# Altium PCB MU_MP_39_V1.PcbDoc (part 3 of 15)
Units mm, origin at the board's own origin, x right, y up, seen from the top; angles counter-clockwise.
Board outline 133 x 94 mm, 8 copper layers (Top Layer, GND_1, POWER_1, POWER_2, GND_2, Inner_Layer, GND_3, Bottom Layer), stack 1.468 mm thick; 934 components, 729 nets, 4006 pads, 2645 vias.
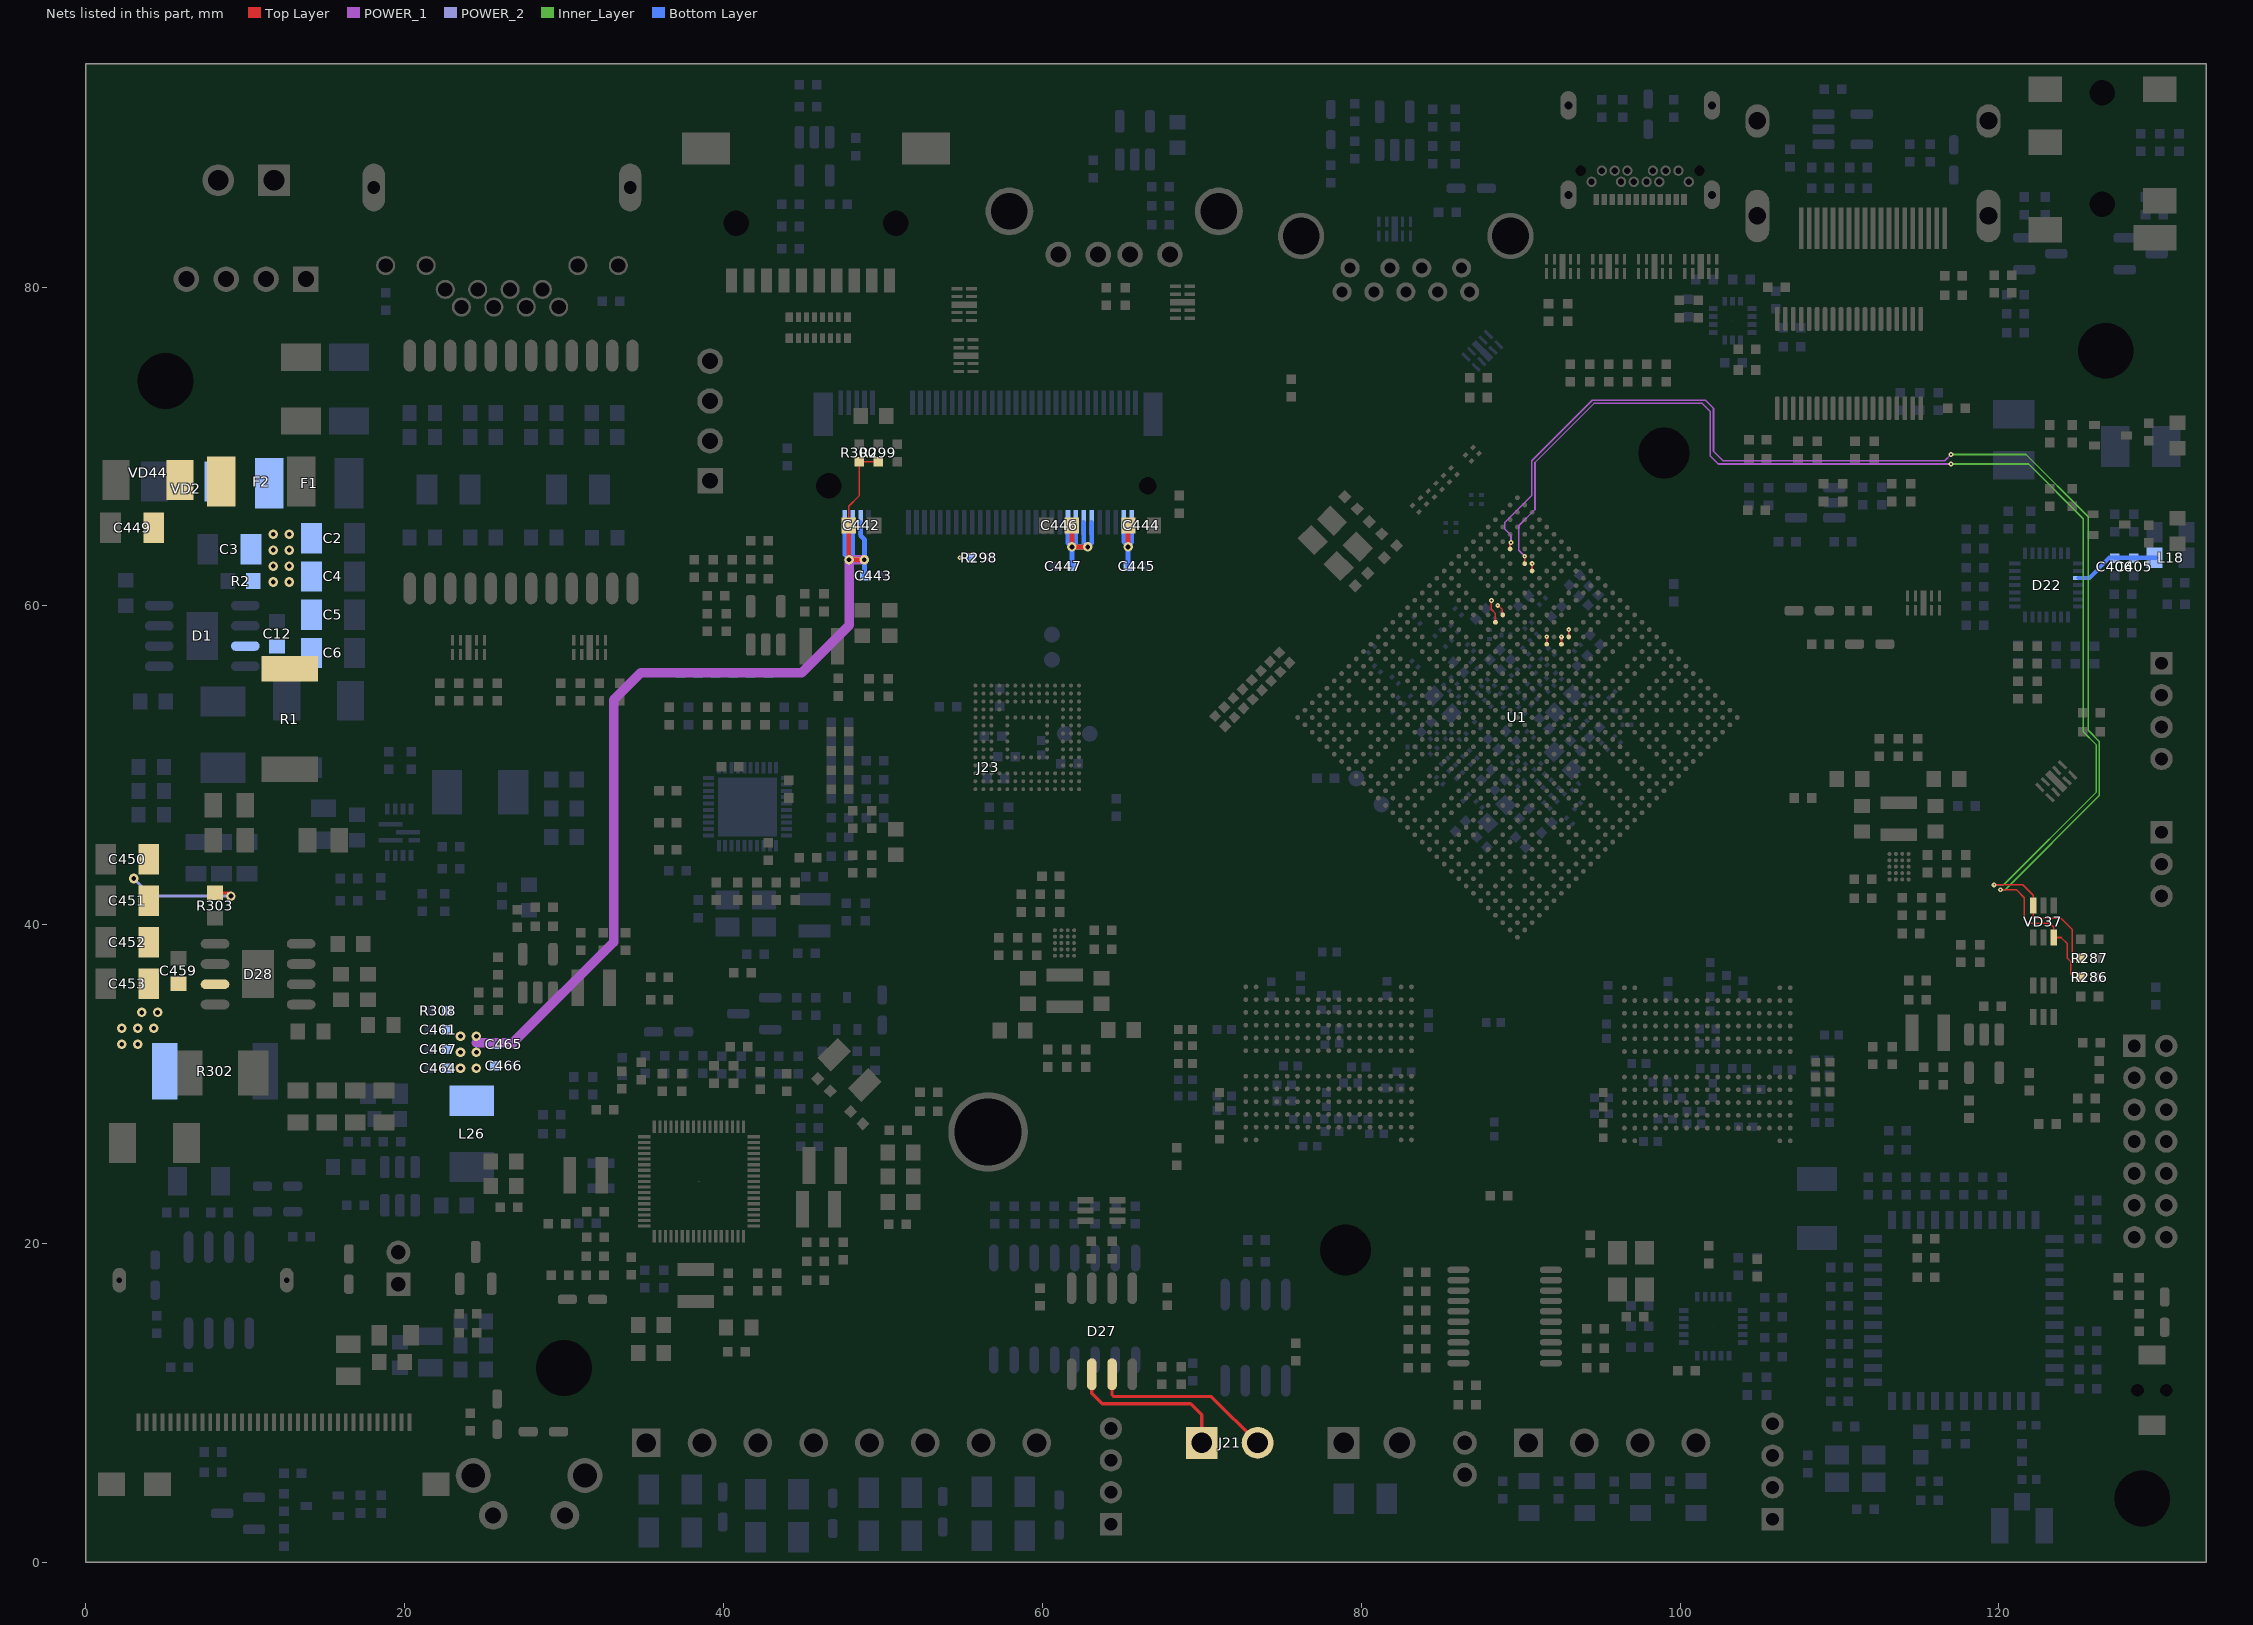
[diagram p9: the nets of this part, all layers, seen from the top]

## Footprints (in the part's own frame and the unit in brackets; to place one, negate y for a bottom-side part, rotate by r counter-clockwise, add the part's x,y. Pads: shape width x height; smd on the part's side, far side on the other; paste and mask are expansions set on the pad) (continued)
CAP_SMD_0201 [mm]
  rect 0.25x0.3 smd: 1(-0.275,0) 2(0.275,0)
  silkscreen extent -0.55,-0.33 0.58,0.33, body extent -0.3,-0.15 0.3,0.15, height 0.31
CAP_SMD_0402 [mm]
  rect 0.6x0.6 smd: 1(-0.55,0) 2(0.55,0)
  silkscreen extent -1.1,-0.6 1.1,0.6, body extent -0.51,-0.25 0.51,0.25, height 0.51
CAP_SMD_0402_SMALL [mm]
  rect 0.55x0.55 smd: 1(-0.45,0) 2(0.45,0)
  silkscreen extent -0.9,-0.4 0.9,0.4, body extent -0.51,-0.25 0.51,0.25, height 0.51
CAP_SMD_0402_small [mm]
  rect 0.55x0.55 smd: 1(-0.45,0) 2(0.45,0)
  silkscreen extent -0.9,-0.4 0.9,0.4, body extent -0.51,-0.25 0.51,0.25, height 0.51
CAP_SMD_0603 [mm]
  rect 0.9x1 smd: 1(-0.8,0) 2(0.8,0)
  silkscreen extent -1.5,-0.75 1.5,0.75, body extent -0.8,-0.4 0.8,0.4, height 0.8
CAP_SMD_0805#1 [mm]
  rect 1x1.3 smd: 1(-1,0) 2(1,0)
  silkscreen extent -1.7,-0.8 1.7,0.8, body extent -1,-0.62 1,0.63, height 1
CAP_SMD_0805#2 [mm]
  rect 1.1x1.55 smd: 1(-1,0) 2(1,0)
  silkscreen extent -1.8,-1.02 1.8,1.02, body extent -1,-0.62 1,0.63, height 1
CAP_SMD_1206 [mm]
  rect 1.3x1.9 smd: 1(-1.35,0) 2(1.35,0)
  silkscreen extent -2.25,-1.2 2.25,1.2, body extent -1.6,-0.8 1.6,0.8, height 0.94
CWF-4 [mm]
  rect 1.6x1.6 hole 1: 1(0,0)
  round 1.6 hole 1: 2(-2.5,0) 3(-5,0) 4(-7.5,0)
  round 0.5 on Mech1: ""(2,-1.75)
  silkscreen extent -10.2,-2.35 2.5,3.65, body extent -10.02,-2.19 2.38,3.56, height 7
DCS5R5_H [mm]
  oval 1.55x0.85 hole 0.35 slot 1.05 at 0 deg: 1(0,5.25) 2(0,-5.25)
  silkscreen extent -5.9,-5.9 5.9,7.6, body extent -5.25,-5.66 5.25,5.3, height 5.52
DS1095-05-LNR0 [mm]
  round 1.2 hole 0.7: 1(-3.5,-1.5) 2(-1,-1.5) 3(1,-1.5) 4(3.5,-1.5) 5(4,0) 6(2,0) 7(0,0) 8(-2,0) 9(-4,0)
  round 2.9 hole 2.3: 10(-6.57,-3.5) 11(6.57,-3.5)
  silkscreen extent -8.3,-8 8.3,1.5, body extent -8.05,-15.28 8.05,1.2, height 7.82
DS1095-WNR0 [mm]
  round 1.6 hole 1: 1(-3.5,1.35) 2(-1,1.35) 3(1,1.35) 4(3.5,1.35)
  round 3 hole 2.3: S1(-6.57,-1.35) S2(6.57,-1.35)
  silkscreen extent -8.3,-10 8.3,2.7, body extent -7.9,-11.6 7.9,2.4, height 7.16
DS1114-BN0XR [mm]
  rect 2.6x0.3 smd: 1(0,-4.5) 2(0,-4) 3(0,-3.5) 4(0,-3) 5(0,-2.5) 6(0,-2) 7(0,-1.5) 8(0,-1) 9(0,-0.5) 10(0,0) 11(0,0.5) 12(0,1) 13(0,1.5) 14(0,2) 15(0,2.5) 16(0,3) 17(0,3.5) 18(0,4) 19(0,4.5)
  oval 3.3x1.5 hole 1.1 slot 2.6 at 0 deg: 20(-0.76,7.25) 23(-0.76,-7.25)
  oval 2.1x1.5 hole 1.1 slot 1.7 at 0 deg: 21(-6.72,7.25) 22(-6.72,-7.25)
  silkscreen extent -9.5,-8 1.75,8, body extent -11.32,-7.5 0.83,7.5, height 6.23
FBGA153 [mm]
  round 0.25 smd: A1(-3.25,3.25) A2(-2.75,3.25) A3(-2.25,3.25) A4(-1.75,3.25) A5(-1.25,3.25) A6(-0.75,3.25) A7(-0.25,3.25) A8(0.25,3.25) A9(0.75,3.25) A10(1.25,3.25) A11(1.75,3.25) A12(2.25,3.25) A13(2.75,3.25) A14(3.25,3.25) B1(-3.25,2.75) B2(-2.75,2.75) B3(-2.25,2.75) B4(-1.75,2.75) B5(-1.25,2.75) B6(-0.75,2.75) B7(-0.25,2.75) B8(0.25,2.75) B9(0.75,2.75) B10(1.25,2.75) B11(1.75,2.75) B12(2.25,2.75) B13(2.75,2.75) B14(3.25,2.75) C1(-3.25,2.25) C2(-2.75,2.25) C3(-2.25,2.25) C4(-1.75,2.25) C5(-1.25,2.25) C6(-0.75,2.25) C7(-0.25,2.25) C8(0.25,2.25) C9(0.75,2.25) C10(1.25,2.25) C11(1.75,2.25) C12(2.25,2.25) C13(2.75,2.25) C14(3.25,2.25) D1(-3.25,1.75) D2(-2.75,1.75) D3(-2.25,1.75) D4(-1.75,1.75) D12(2.25,1.75) D13(2.75,1.75) D14(3.25,1.75) E1(-3.25,1.25) E2(-2.75,1.25) E3(-2.25,1.25) E5(-1.25,1.25) E6(-0.75,1.25) E7(-0.25,1.25) E8(0.25,1.25) E9(0.75,1.25) E10(1.25,1.25) E12(2.25,1.25) E13(2.75,1.25) E14(3.25,1.25) F1(-3.25,0.75) F2(-2.75,0.75) F3(-2.25,0.75) F5(-1.25,0.75) F10(1.25,0.75) F12(2.25,0.75) F13(2.75,0.75) F14(3.25,0.75) G1(-3.25,0.25) G2(-2.75,0.25) G3(-2.25,0.25) G5(-1.25,0.25) G10(1.25,0.25) G12(2.25,0.25) G13(2.75,0.25) G14(3.25,0.25) H1(-3.25,-0.25) H2(-2.75,-0.25) H3(-2.25,-0.25) H5(-1.25,-0.25) H10(1.25,-0.25) H12(2.25,-0.25) H13(2.75,-0.25) H14(3.25,-0.25) J1(-3.25,-0.75) J2(-2.75,-0.75) J3(-2.25,-0.75) J5(-1.25,-0.75) J10(1.25,-0.75) J12(2.25,-0.75) J13(2.75,-0.75) J14(3.25,-0.75) K1(-3.25,-1.25) K2(-2.75,-1.25) K3(-2.25,-1.25) K5(-1.25,-1.25) K6(-0.75,-1.25) K7(-0.25,-1.25) K8(0.25,-1.25) K9(0.75,-1.25) K10(1.25,-1.25) K12(2.25,-1.25) K13(2.75,-1.25) K14(3.25,-1.25) L1(-3.25,-1.75) L2(-2.75,-1.75) L3(-2.25,-1.75) L12(2.25,-1.75) L13(2.75,-1.75) L14(3.25,-1.75) M1(-3.25,-2.25) M2(-2.75,-2.25) M3(-2.25,-2.25) M4(-1.75,-2.25) M5(-1.25,-2.25) M6(-0.75,-2.25) M7(-0.25,-2.25) M8(0.25,-2.25) M9(0.75,-2.25) M10(1.25,-2.25) M11(1.75,-2.25) M12(2.25,-2.25) M13(2.75,-2.25) M14(3.25,-2.25) N1(-3.25,-2.75) N2(-2.75,-2.75) N3(-2.25,-2.75) N4(-1.75,-2.75) N5(-1.25,-2.75) N6(-0.75,-2.75) N7(-0.25,-2.75) N8(0.25,-2.75) N9(0.75,-2.75) N10(1.25,-2.75) N11(1.75,-2.75) N12(2.25,-2.75) N13(2.75,-2.75) N14(3.25,-2.75) P1(-3.25,-3.25) P2(-2.75,-3.25) P3(-2.25,-3.25) P4(-1.75,-3.25) P5(-1.25,-3.25) P6(-0.75,-3.25) P7(-0.25,-3.25) P8(0.25,-3.25) P9(0.75,-3.25) P10(1.25,-3.25) P11(1.75,-3.25) P12(2.25,-3.25) P13(2.75,-3.25) P14(3.25,-3.25)
  silkscreen extent -5.98,-6.73 5.98,6.73, body extent -5.75,-6.47 5.75,6.53, height 0.78
FBGA178_13R00X11R50X1R20 [mm] "FBGA178_13R00X11R50X1R20"
  round 0.3 smd: A1(-4.8,5.2) A2(-4,5.2) A3(-3.2,5.2) A4(-2.4,5.2) A5(-1.6,5.2) A6(-0.8,5.2) A8(0.8,5.2) A9(1.6,5.2) A10(2.4,5.2) A11(3.2,5.2) A12(4,5.2) A13(4.8,5.2) B1(-4.8,4.55) B2(-4,4.55) B3(-3.2,4.55) B4(-2.4,4.55) B5(-1.6,4.55) B6(-0.8,4.55) B8(0.8,4.55) B9(1.6,4.55) B10(2.4,4.55) B11(3.2,4.55) B12(4,4.55) B13(4.8,4.55) C2(-4,3.9) C3(-3.2,3.9) C4(-2.4,3.9) C5(-1.6,3.9) C6(-0.8,3.9) C8(0.8,3.9) C9(1.6,3.9) C10(2.4,3.9) C11(3.2,3.9) C12(4,3.9) D2(-4,3.25) D3(-3.2,3.25) D4(-2.4,3.25) D5(-1.6,3.25) D6(-0.8,3.25) D8(0.8,3.25) D9(1.6,3.25) D10(2.4,3.25) D11(3.2,3.25) D12(4,3.25) E2(-4,2.6) E3(-3.2,2.6) E4(-2.4,2.6) E5(-1.6,2.6) E6(-0.8,2.6) E8(0.8,2.6) E9(1.6,2.6) E10(2.4,2.6) E11(3.2,2.6) E12(4,2.6) F2(-4,1.95) F3(-3.2,1.95) F4(-2.4,1.95) F5(-1.6,1.95) F6(-0.8,1.95) F8(0.8,1.95) F9(1.6,1.95) F10(2.4,1.95) F11(3.2,1.95) F12(4,1.95) G2(-4,1.3) G3(-3.2,1.3) G4(-2.4,1.3) G5(-1.6,1.3) G6(-0.8,1.3) G8(0.8,1.3) G9(1.6,1.3) G10(2.4,1.3) G11(3.2,1.3) G12(4,1.3) H2(-4,0.65) H3(-3.2,0.65) H4(-2.4,0.65) H5(-1.6,0.65) H6(-0.8,0.65) H8(0.8,0.65) H9(1.6,0.65) H10(2.4,0.65) H11(3.2,0.65) H12(4,0.65) J2(-4,0) J3(-3.2,0) J4(-2.4,0) J5(-1.6,0) J6(-0.8,0) J8(0.8,0) J9(1.6,0) J10(2.4,0) J11(3.2,0) J12(4,0) K2(-4,-0.65) K3(-3.2,-0.65) K4(-2.4,-0.65) K5(-1.6,-0.65) K6(-0.8,-0.65) K8(0.8,-0.65) K9(1.6,-0.65) K10(2.4,-0.65) K11(3.2,-0.65) K12(4,-0.65) L2(-4,-1.3) L3(-3.2,-1.3) L4(-2.4,-1.3) L5(-1.6,-1.3) L6(-0.8,-1.3) L8(0.8,-1.3) L9(1.6,-1.3) L10(2.4,-1.3) L11(3.2,-1.3) L12(4,-1.3) M2(-4,-1.95) M3(-3.2,-1.95) M4(-2.4,-1.95) M5(-1.6,-1.95) M6(-0.8,-1.95) M8(0.8,-1.95) M9(1.6,-1.95) M10(2.4,-1.95) M11(3.2,-1.95) M12(4,-1.95) N2(-4,-2.6) N3(-3.2,-2.6) N4(-2.4,-2.6) N5(-1.6,-2.6) N6(-0.8,-2.6) N8(0.8,-2.6) N9(1.6,-2.6) N10(2.4,-2.6) N11(3.2,-2.6) N12(4,-2.6) P2(-4,-3.25) P3(-3.2,-3.25) P4(-2.4,-3.25) P5(-1.6,-3.25) P6(-0.8,-3.25) P8(0.8,-3.25) P9(1.6,-3.25) P10(2.4,-3.25) P11(3.2,-3.25) P12(4,-3.25) R2(-4,-3.9) R3(-3.2,-3.9) R4(-2.4,-3.9) R5(-1.6,-3.9) R6(-0.8,-3.9) R8(0.8,-3.9) R9(1.6,-3.9) R10(2.4,-3.9) R11(3.2,-3.9) R12(4,-3.9) T1(-4.8,-4.55) T2(-4,-4.55) T3(-3.2,-4.55) T4(-2.4,-4.55) T5(-1.6,-4.55) T6(-0.8,-4.55) T8(0.8,-4.55) T9(1.6,-4.55) T10(2.4,-4.55) T11(3.2,-4.55) T12(4,-4.55) T13(4.8,-4.55) U1(-4.8,-5.2) U2(-4,-5.2) U3(-3.2,-5.2) U4(-2.4,-5.2) U5(-1.6,-5.2) U6(-0.8,-5.2) U8(0.8,-5.2) U9(1.6,-5.2) U10(2.4,-5.2) U11(3.2,-5.2) U12(4,-5.2) U13(4.8,-5.2)
  silkscreen extent -6.5,-5.9 6.5,5.9, body extent -5.5,-5.73 5.5,5.77, height 0.93
FUSE_SMD_1812 [mm]
  rect 1.8x3.15 smd: 1(-2.5,0) 2(2.5,0)
  silkscreen extent -3.8,-1.9 3.8,1.9, body extent -2.36,-1.7 2.37,1.71, height 1.34
HEI252012A [mm]
  rect 0.8x2.3 smd: 1(-1,0) 2(1,0)
  silkscreen extent -1.6,-1.3 1.6,1.3, body extent -1.25,-1 1.25,1, height 1.07
IHLP2020 [mm]
  rect 1.9x2.8 smd: 1(0,0) 2(4.15,0)
  silkscreen extent -1.3,-2.6 5.5,2.6, body extent -0.69,-2.6 4.8,2.58, height 2
IND_SMD_0402 [mm]
  rect 0.55x0.55 smd: 1(-0.45,0) 2(0.45,0)
  silkscreen extent -0.9,-0.4 0.9,0.4, body extent -0.5,-0.25 0.5,0.25, height 0.5
IND_SMD_0603 [mm]
  rect 0.9x1 smd: 1(-0.8,0) 2(0.8,0)
  silkscreen extent -1.5,-0.75 1.5,0.75, body extent -0.8,-0.4 0.8,0.4, height 0.8
IND_SMD_0805 [mm]
  rect 1x1.3 smd: 1(-1,0) 2(1,0)
  silkscreen extent -1.7,-0.8 1.7,0.8, body extent -1,-0.62 1,0.63, height 0.85
IND_SMD_252012 [mm]
  rect 0.8x2 smd: 1(-1,0) 2(1,0)
  silkscreen extent -1.6,-1.2 1.6,1.2, body extent -1.25,-1 1.25,1, height 1.2
IT-1185AP [mm] "Tact switch 3x5 mm"
  rect 1.2x1.7 smd: 1(2.2,0) 2(-2.2,0)
  round 0 hole 0.8 unplated: ""(0,0.9) ""(0,-0.9)
  POWER_1 pour cut-out: 0,0.2 -0.268,0.253 -0.495,0.405 -0.647,0.632 -0.7,0.9 -0.7,0.9 -0.647,1.168 -0.495,1.395 -0.268,1.547 0,1.6 0,1.6 0.268,1.547 0.495,1.395 0.647,1.168 0.7,0.9 0.7,0.9 0.647,0.632 0.495,0.405 0.268,0.253 0,0.2
  POWER_1 pour cut-out: 0,-1.6 -0.268,-1.547 -0.495,-1.395 -0.647,-1.168 -0.7,-0.9 -0.7,-0.9 -0.647,-0.632 -0.495,-0.405 -0.268,-0.253 0,-0.2 0,-0.2 0.268,-0.253 0.495,-0.405 0.647,-0.632 0.7,-0.9 0.7,-0.9 0.647,-1.168 0.495,-1.395 0.268,-1.547 0,-1.6
  GND_1 pour cut-out: 0,0.2 -0.268,0.253 -0.495,0.405 -0.647,0.632 -0.7,0.9 -0.7,0.9 -0.647,1.168 -0.495,1.395 -0.268,1.547 0,1.6 0,1.6 0.268,1.547 0.495,1.395 0.647,1.168 0.7,0.9 0.7,0.9 0.647,0.632 0.495,0.405 0.268,0.253 0,0.2
  GND_1 pour cut-out: 0,-1.6 -0.268,-1.547 -0.495,-1.395 -0.647,-1.168 -0.7,-0.9 -0.7,-0.9 -0.647,-0.632 -0.495,-0.405 -0.268,-0.253 0,-0.2 0,-0.2 0.268,-0.253 0.495,-0.405 0.647,-0.632 0.7,-0.9 0.7,-0.9 0.647,-1.168 0.495,-1.395 0.268,-1.547 0,-1.6
  Bottom Layer pour cut-out: 0,0.2 -0.268,0.253 -0.495,0.405 -0.647,0.632 -0.7,0.9 -0.7,0.9 -0.647,1.168 -0.495,1.395 -0.268,1.547 0,1.6 0,1.6 0.268,1.547 0.495,1.395 0.647,1.168 0.7,0.9 0.7,0.9 0.647,0.632 0.495,0.405 0.268,0.253 0,0.2
  Bottom Layer pour cut-out: 0,-1.6 -0.268,-1.547 -0.495,-1.395 -0.647,-1.168 -0.7,-0.9 -0.7,-0.9 -0.647,-0.632 -0.495,-0.405 -0.268,-0.253 0,-0.2 0,-0.2 0.268,-0.253 0.495,-0.405 0.647,-0.632 0.7,-0.9 0.7,-0.9 0.647,-1.168 0.495,-1.395 0.268,-1.547 0,-1.6
  Multi-Layer pour cut-out: 0,-1.6 -0.268,-1.547 -0.495,-1.395 -0.647,-1.168 -0.7,-0.9 -0.7,-0.9 -0.647,-0.632 -0.495,-0.405 -0.268,-0.253 0,-0.2 0,-0.2 0.268,-0.253 0.495,-0.405 0.647,-0.632 0.7,-0.9 0.7,-0.9 0.647,-1.168 0.495,-1.395 0.268,-1.547 0,-1.6
  Multi-Layer pour cut-out: 0,0.2 -0.268,0.253 -0.495,0.405 -0.647,0.632 -0.7,0.9 -0.7,0.9 -0.647,1.168 -0.495,1.395 -0.268,1.547 0,1.6 0,1.6 0.268,1.547 0.495,1.395 0.647,1.168 0.7,0.9 0.7,0.9 0.647,0.632 0.495,0.405 0.268,0.253 0,0.2
  silkscreen extent -2,-1.5 2,1.5, body extent -2.05,-1.5 2,1.5, height 2
Jumper2 [mm]
  round 1.5 hole 0.9: 1(-1,0) 2(1,0)
  silkscreen extent -2.2,-1.2 2.2,1.2, body extent -2,-1 2,1, height 6
KLS1-NGFF01-3.2-M-G1U_42mm [mm]
  rect 0.3x1.524 smd: 1(-9.25,3.75) 2(-9,-3.75) 3(-8.75,3.75) 4(-8.5,-3.75) 5(-8.25,3.75) 6(-8,-3.75) 7(-7.75,3.75) 8(-7.5,-3.75) 9(-7.25,3.75) 10(-7,-3.75) 11(-6.75,3.75) 12(-6.5,-3.75) 13(-6.25,3.75) 14(-6,-3.75) 15(-5.75,3.75) 16(-5.5,-3.75) 17(-5.25,3.75) 18(-5,-3.75) 19(-4.75,3.75) 20(-4.5,-3.75) 21(-4.25,3.75) 22(-4,-3.75) 23(-3.75,3.75) 24(-3.5,-3.75) 25(-3.25,3.75) 26(-3,-3.75) 27(-2.75,3.75) 28(-2.5,-3.75) 29(-2.25,3.75) 30(-2,-3.75) 31(-1.75,3.75) 32(-1.5,-3.75) 33(-1.25,3.75) 34(-1,-3.75) 35(-0.75,3.75) 36(-0.5,-3.75) 37(-0.25,3.75) 38(0,-3.75) 39(0.25,3.75) 40(0.5,-3.75) 41(0.75,3.75) 42(1,-3.75) 43(1.25,3.75) 44(1.5,-3.75) 45(1.75,3.75) 46(2,-3.75) 47(2.25,3.75) 48(2.5,-3.75) 49(2.75,3.75) 50(3,-3.75) 51(3.25,3.75) 52(3.5,-3.75) 53(3.75,3.75) 54(4,-3.75) 55(4.25,3.75) 56(4.5,-3.75) 57(4.75,3.75) 58(5,-3.75) 67(7.25,3.75) 68(7.5,-3.75) 69(7.75,3.75) 70(8,-3.75) 71(8.25,3.75) 72(8.5,-3.75) 73(8.75,3.75) 74(9,-3.75) 75(9.25,3.75)
  rect 1.2x2.75 smd: 76(-10.35,3.025) 77(10.35,3.025)
  round 0 hole 1.1 unplated: 78(-10,-1.475)
  round 0 hole 1.6 unplated: 79(10,-1.475)
  round 5 hole 4.2: Bush(0,-42)
  Multi-Layer pour cut-out: 8.8,-1.475 8.891,-1.934 9.151,-2.324 9.541,-2.584 10,-2.675 10,-2.675 10.459,-2.584 10.849,-2.324 11.109,-1.934 11.2,-1.475 11.2,-1.475 11.109,-1.016 10.849,-0.626 10.459,-0.366 10,-0.275 10,-0.275 9.541,-0.366 9.151,-0.626 8.891,-1.016 8.8,-1.475
  Multi-Layer pour cut-out: -10.9,-1.475 -10.831,-1.819 -10.636,-2.111 -10.344,-2.306 -10,-2.375 -10,-2.375 -9.656,-2.306 -9.364,-2.111 -9.169,-1.819 -9.1,-1.475 -9.1,-1.475 -9.169,-1.131 -9.364,-0.839 -9.656,-0.644 -10,-0.575 -10,-0.575 -10.344,-0.644 -10.636,-0.839 -10.831,-1.131 -10.9,-1.475
  silkscreen extent -11.3,-4.9 11.3,4.9, body extent -10.95,-4.33 10.95,4.38, height 4.1
L-KLS7-TS6606-5.0-180 [mm]
  round 1.8 hole 1: 1(-2.25,-1.25) 2(2.25,-1.25)
  round 2.2 hole 1.5: 3(3.5,1.25) 4(-3.5,1.25)
  silkscreen extent -4.9,-3.6 4.9,2.9, body extent -4.2,-5 4.2,2.75, height 7
LED_0603 [mm]
  rect 0.9x1 smd: 1(-0.8,0) 2(0.8,0)
  silkscreen extent -1.5,-0.9 1.7,0.9, body extent -0.8,-0.4 0.8,0.4, height 0.6
LP72431ANL [mm] "pitch 1.27 mm"
  rrect100% 2x0.76 smd: 1(-7.302,6.985) 2(-7.302,5.715) 3(-7.302,4.445) 4(-7.302,3.175) 5(-7.302,1.905) 6(-7.302,0.635) 7(-7.302,-0.635) 8(-7.302,-1.905) 9(-7.302,-3.175) 10(-7.302,-4.445) 11(-7.302,-5.715) 12(-7.302,-6.985) 13(7.302,-6.985) 14(7.302,-5.715)
  oval 2x0.76 smd: 15(7.302,-4.445) 16(7.302,-3.175) 17(7.302,-1.905) 18(7.302,-0.635) 19(7.302,0.635) 20(7.302,1.905) 21(7.302,3.175) 22(7.302,4.445) 23(7.302,5.715) 24(7.302,6.985)
  silkscreen extent -8.6,-9 8.6,9, body extent -8,-8.8 8,8.8, height 6
LPJE4714BGNL [mm]
  round 1.2 hole 0.9: 1(3.556,2.65) 2(2.54,3.75) 3(1.524,2.65) 4(0.508,3.75) 5(-0.508,2.65) 6(-1.524,3.75) 7(-2.54,2.65) 8(-3.556,3.75) 9(7.3,1.15) 10(4.76,1.15) 11(-4.76,1.15) 12(-7.3,1.15)
  oval 1.4x3 hole 0.8 slot 2.4 at 90 deg: ""(-8.04,-3.75) ""(8.04,-3.75)
  Keep-Out Layer board cut-out: -7,-12 7,-12 7,-1.95 7.477,-1.841 7.86,-1.536 8.072,-1.095 8.072,-0.605 7.86,-0.164 7.477,0.141 7,0.25 7,0.25 -7,0.25 -7.477,0.141 -7.86,-0.164 -8.072,-0.605 -8.072,-1.095 -7.86,-1.536 -7.477,-1.841 -7,-1.95 -7,-1.95
  silkscreen extent -8.3,-10.9 8.3,4.7, body extent -8.2,-11.7 8.2,3.94, height 6.95
M3.5_NP [mm]
  round 0 hole 3.5 unplated: 1(0,0)
  Multi-Layer pour cut-out: 0,-2.5 -0.957,-2.31 -1.768,-1.768 -2.31,-0.957 -2.5,0 -2.5,0 -2.31,0.957 -1.768,1.768 -0.957,2.31 0,2.5 0,2.5 0.957,2.31 1.768,1.768 2.31,0.957 2.5,0 2.5,0 2.31,-0.957 1.768,-1.768 0.957,-2.31 0,-2.5
MWSA0402S [mm]
  rect 1.5x2.5 smd: 1(-1.85,0) 2(1.85,0)
  silkscreen extent -2.8,-2.3 2.8,2.3, body extent -2.4,-2.1 2.4,2.1, height 1.8
PJ-342B-TX-SMT [mm]
  rect 1.6x2.1 smd: 2(0,0) 3(7,0) 5(0,-7.2) 6(3.3,-7.2) 7(8.8,-7.2)
  rect 1.6x2.7 smd: 4(9.3,-0.3)
  round 0 hole 1.6: ""(0.2,-3.6) ""(7.2,-3.6)
  Multi-Layer pour cut-out: -1,-3.6 -0.909,-4.059 -0.649,-4.449 -0.259,-4.709 0.2,-4.8 0.2,-4.8 0.659,-4.709 1.049,-4.449 1.309,-4.059 1.4,-3.6 1.4,-3.6 1.309,-3.141 1.049,-2.751 0.659,-2.491 0.2,-2.4 0.2,-2.4 -0.259,-2.491 -0.649,-2.751 -0.909,-3.141 -1,-3.6
  Multi-Layer pour cut-out: 6,-3.6 6.091,-4.059 6.351,-4.449 6.741,-4.709 7.2,-4.8 7.2,-4.8 7.659,-4.709 8.049,-4.449 8.309,-4.059 8.4,-3.6 8.4,-3.6 8.309,-3.141 8.049,-2.751 7.659,-2.491 7.2,-2.4 7.2,-2.4 6.741,-2.491 6.351,-2.751 6.091,-3.141 6,-3.6
  silkscreen extent -1,-8.5 10.4,1.3, body extent -4.15,-7.9 10.15,0.6, height 4.8
"PLD2-14 (2.00)" [mm]
  rect 1.4x1.4 hole 0.8: 1(0,0)
  round 1.4 hole 0.8: 2(2,0) 3(0,-2) 4(2,-2) 5(0,-4) 6(2,-4) 7(0,-6) 8(2,-6) 9(0,-8) 10(2,-8) 11(0,-10) 12(2,-10) 13(0,-12) 14(2,-12)
  silkscreen extent -1.3,-13.3 3.3,1.3
QFN35P700X700X80-69N [mm]
  rrect25% 0.8x0.2 smd mask+0.05: 1(-3.435,2.8) 2(-3.435,2.45) 3(-3.435,2.1) 4(-3.435,1.75) 5(-3.435,1.4) 6(-3.435,1.05) 7(-3.435,0.7) 8(-3.435,0.35) 9(-3.435,0) 10(-3.435,-0.35) 11(-3.435,-0.7) 12(-3.435,-1.05) 13(-3.435,-1.4) 14(-3.435,-1.75) 15(-3.435,-2.1) 16(-3.435,-2.45) 17(-3.435,-2.8) 35(3.435,-2.8) 36(3.435,-2.45) 37(3.435,-2.1) 38(3.435,-1.75) 39(3.435,-1.4) 40(3.435,-1.05) 41(3.435,-0.7) 42(3.435,-0.35) 43(3.435,0) 44(3.435,0.35) 45(3.435,0.7) 46(3.435,1.05) 47(3.435,1.4) 48(3.435,1.75) 49(3.435,2.1) 50(3.435,2.45) 51(3.435,2.8)
  rrect25% 0.2x0.8 smd mask+0.05: 18(-2.8,-3.435) 19(-2.45,-3.435) 20(-2.1,-3.435) 21(-1.75,-3.435) 22(-1.4,-3.435) 23(-1.05,-3.435) 24(-0.7,-3.435) 25(-0.35,-3.435) 26(0,-3.435) 27(0.35,-3.435) 28(0.7,-3.435) 29(1.05,-3.435) 30(1.4,-3.435) 31(1.75,-3.435) 32(2.1,-3.435) 33(2.45,-3.435) 34(2.8,-3.435) 52(2.8,3.435) 53(2.45,3.435) 54(2.1,3.435) 55(1.75,3.435) 56(1.4,3.435) 57(1.05,3.435) 58(0.7,3.435) 59(0.35,3.435) 60(0,3.435) 61(-0.35,3.435) 62(-0.7,3.435) 63(-1.05,3.435) 64(-1.4,3.435) 65(-1.75,3.435) 66(-2.1,3.435) 67(-2.45,3.435) 68(-2.8,3.435)
  round 0.025 smd paste-4 mask+0.05: 69(0,0)
  Top Layer region: -2.45,2.75 -2.75,2.45 -2.75,-2.75 2.75,-2.75 2.75,2.75
  silkscreen extent -4.1,-3.6 3.6,3.6, body extent -3.52,-3.52 3.52,3.52, height 0.79
QFN40 [mm]
  rect 0.7x0.25 smd mask+0.05: 1(-2.45,1.8) 2(-2.45,1.4) 3(-2.45,1) 4(-2.45,0.6) 5(-2.45,0.2) 6(-2.45,-0.2) 7(-2.45,-0.6) 8(-2.45,-1) 9(-2.45,-1.4) 10(-2.45,-1.8) 21(2.45,-1.8) 22(2.45,-1.4) 23(2.45,-1) 24(2.45,-0.6) 25(2.45,-0.2) 26(2.45,0.2) 27(2.45,0.6) 28(2.45,1) 29(2.45,1.4) 30(2.45,1.8)
  rect 0.25x0.7 smd mask+0.05: 11(-1.8,-2.45) 12(-1.4,-2.45) 13(-1,-2.45) 14(-0.6,-2.45) 15(-0.2,-2.45) 16(0.2,-2.45) 17(0.6,-2.45) 18(1,-2.45) 19(1.4,-2.45) 20(1.8,-2.45) 31(1.8,2.45) 32(1.4,2.45) 33(1,2.45) 34(0.6,2.45) 35(0.2,2.45) 36(-0.2,2.45) 37(-0.6,2.45) 38(-1,2.45) 39(-1.4,2.45) 40(-1.8,2.45)
  rect 3.7x3.7 smd mask+0.05: 41(0,0)
  silkscreen extent -3,-3 3,3, body extent -2.5,-2.5 2.5,2.5, height 0.9
QFN-12_2mmx3mm [mm]
  rect 1.5x0.3 smd mask+0.05: 1(-0.55,0.5) 2(-0.55,-0.5) 7(0.55,0)
  rect 0.3x0.7 smd mask+0.05: 3(-0.75,-1.45) 4(-0.25,-1.45) 5(0.25,-1.45) 6(0.75,-1.45) 9(0.75,1.45) 10(0.25,1.45) 11(-0.25,1.45) 12(-0.75,1.45)
  rect 0.7x0.3 smd mask+0.05: 8(0.95,0.5)
  silkscreen extent -1.5,-2 1.5,2, body extent -1.03,-1.53 1.03,1.53, height 1
"QFN-20 4mmx4mm" [mm]
  rect 0.6x0.3 smd mask+0.05: 1(-1.85,1) 2(-1.85,0.5) 3(-1.85,0) 4(-1.85,-0.5) 5(-1.85,-1) 11(1.85,-1) 12(1.85,-0.5) 13(1.85,0) 14(1.85,0.5) 15(1.85,1)
  rect 0.3x0.6 smd mask+0.05: 6(-1,-1.85) 7(-0.5,-1.85) 8(0,-1.85) 9(0.5,-1.85) 10(1,-1.85) 16(1,1.85) 17(0.5,1.85) 18(0,1.85) 19(-0.5,1.85) 20(-1,1.85)
  round 0.025 smd mask+0.05: 21(0,0)
  Top Layer region: 1.25,1.25 -1.05,1.25 -1.25,1.05 -1.25,-1.25 1.25,-1.25
  silkscreen extent -2.4,-2.4 2.4,2.4, body extent -2,-2 2,2, height 0.9
"QFN-28 4mmx4mm" [mm]
  rect 0.7x0.25 smd mask+0.05: 1(-2,1.35) 2(-2,0.9) 3(-2,0.45) 4(-2,0) 5(-2,-0.45) 6(-2,-0.9) 7(-2,-1.35) 15(2,-1.35) 16(2,-0.9) 17(2,-0.45) 18(2,0) 19(2,0.45) 20(2,0.9) 21(2,1.35)
  rect 0.25x0.7 smd mask+0.05: 8(-1.35,-2) 9(-0.9,-2) 10(-0.45,-2) 11(0,-2) 12(0.45,-2) 13(0.9,-2) 14(1.35,-2) 22(1.35,2) 23(0.9,2) 24(0.45,2) 25(0,2) 26(-0.45,2) 27(-0.9,2) 28(-1.35,2)
  round 0.025 smd mask+0.05: 29(0,0)
  Top Layer region: 1.3,1.3 -1,1.3 -1.3,1 -1.3,-1.3 1.3,-1.3
  silkscreen extent -2.6,-2.6 2.6,2.6, body extent -2,-2 2,2, height 0.8
RCLAMP0524PA [mm]
  rect 0.2x0.675 smd: 1(-1,-0.45) 1(-1,0.45) 2(-0.5,0.45) 2(-0.5,-0.45) 4(0.5,0.45) 4(0.5,-0.45) 5(1,-0.45) 5(1,0.45)
  rect 0.4x1.575 smd: 3(0,0)
  silkscreen extent -1.4,-1.1 1.4,1.1, body extent -1.25,-0.5 1.25,0.51, height 0.56
RES_SMD_0201 [mm]
  rect 0.25x0.3 smd: 1(-0.275,0) 2(0.275,0)
  silkscreen extent -0.58,-0.33 0.58,0.33, body extent -0.3,-0.15 0.3,0.15, height 0.15
RES_SMD_0402 [mm]
  rect 0.6x0.6 smd: 1(-0.55,0) 2(0.55,0)
  silkscreen extent -1.1,-0.6 1.1,0.6, body extent -0.52,-0.25 0.48,0.25, height 0.34
RES_SMD_0402_SMALL [mm]
  rect 0.55x0.55 smd: 1(-0.45,0) 2(0.45,0)
  silkscreen extent -0.9,-0.4 0.9,0.4, body extent -0.52,-0.25 0.48,0.25, height 0.34
RES_SMD_0603 [mm]
  rect 0.9x1 smd: 1(-0.8,0) 2(0.8,0)
  silkscreen extent -1.5,-0.75 1.5,0.75, body extent -0.8,-0.4 0.8,0.4, height 0.44
RES_SMD_1206 [mm]
  rect 1.3x1.9 smd: 1(-1.35,0) 2(1.35,0)
  silkscreen extent -2.25,-1.2 2.25,1.2, body extent -1.6,-0.78 1.6,0.82, height 0.53
RES_SMD_2512 [mm]
  rect 1.6x3.55 smd: 1(-3.15,0) 2(3.15,0)
  silkscreen extent -4.2,-2.02 4.2,2.02, body extent -3.2,-1.6 3.2,1.6, height 0.6
RK3399_RADIATOR_2 [mm]
  round 0 hole 3.2 unplated mask+0.1: 2(10,25) 4(-10,-25)
  Multi-Layer pour cut-out: -12,-25 -11.848,-25.765 -11.414,-26.414 -10.765,-26.848 -10,-27 -10,-27 -9.235,-26.848 -8.586,-26.414 -8.152,-25.765 -8,-25 -8,-25 -8.152,-24.235 -8.586,-23.586 -9.235,-23.152 -10,-23 -10,-23 -10.765,-23.152 -11.414,-23.586 -11.848,-24.235 -12,-25
  Multi-Layer pour cut-out: 8,25 8.152,24.235 8.586,23.586 9.235,23.152 10,23 10,23 10.765,23.152 11.414,23.586 11.848,24.235 12,25 12,25 11.848,25.765 11.414,26.414 10.765,26.848 10,27 10,27 9.235,26.848 8.586,26.414 8.152,25.765 8,25